# Altium PCB PT-MIS-PCB-001_v1.PcbDoc (part 2 of 2)
Units mm, origin at the board's own origin, x right, y up, seen from the top; angles counter-clockwise.
Board outline 95.12 x 89.53 mm, 4 copper layers (Top Layer, Ground Plane, Power Plane, Bottom Layer), stack 1.58 mm thick; 114 components, 60 nets, 390 pads, 166 vias.
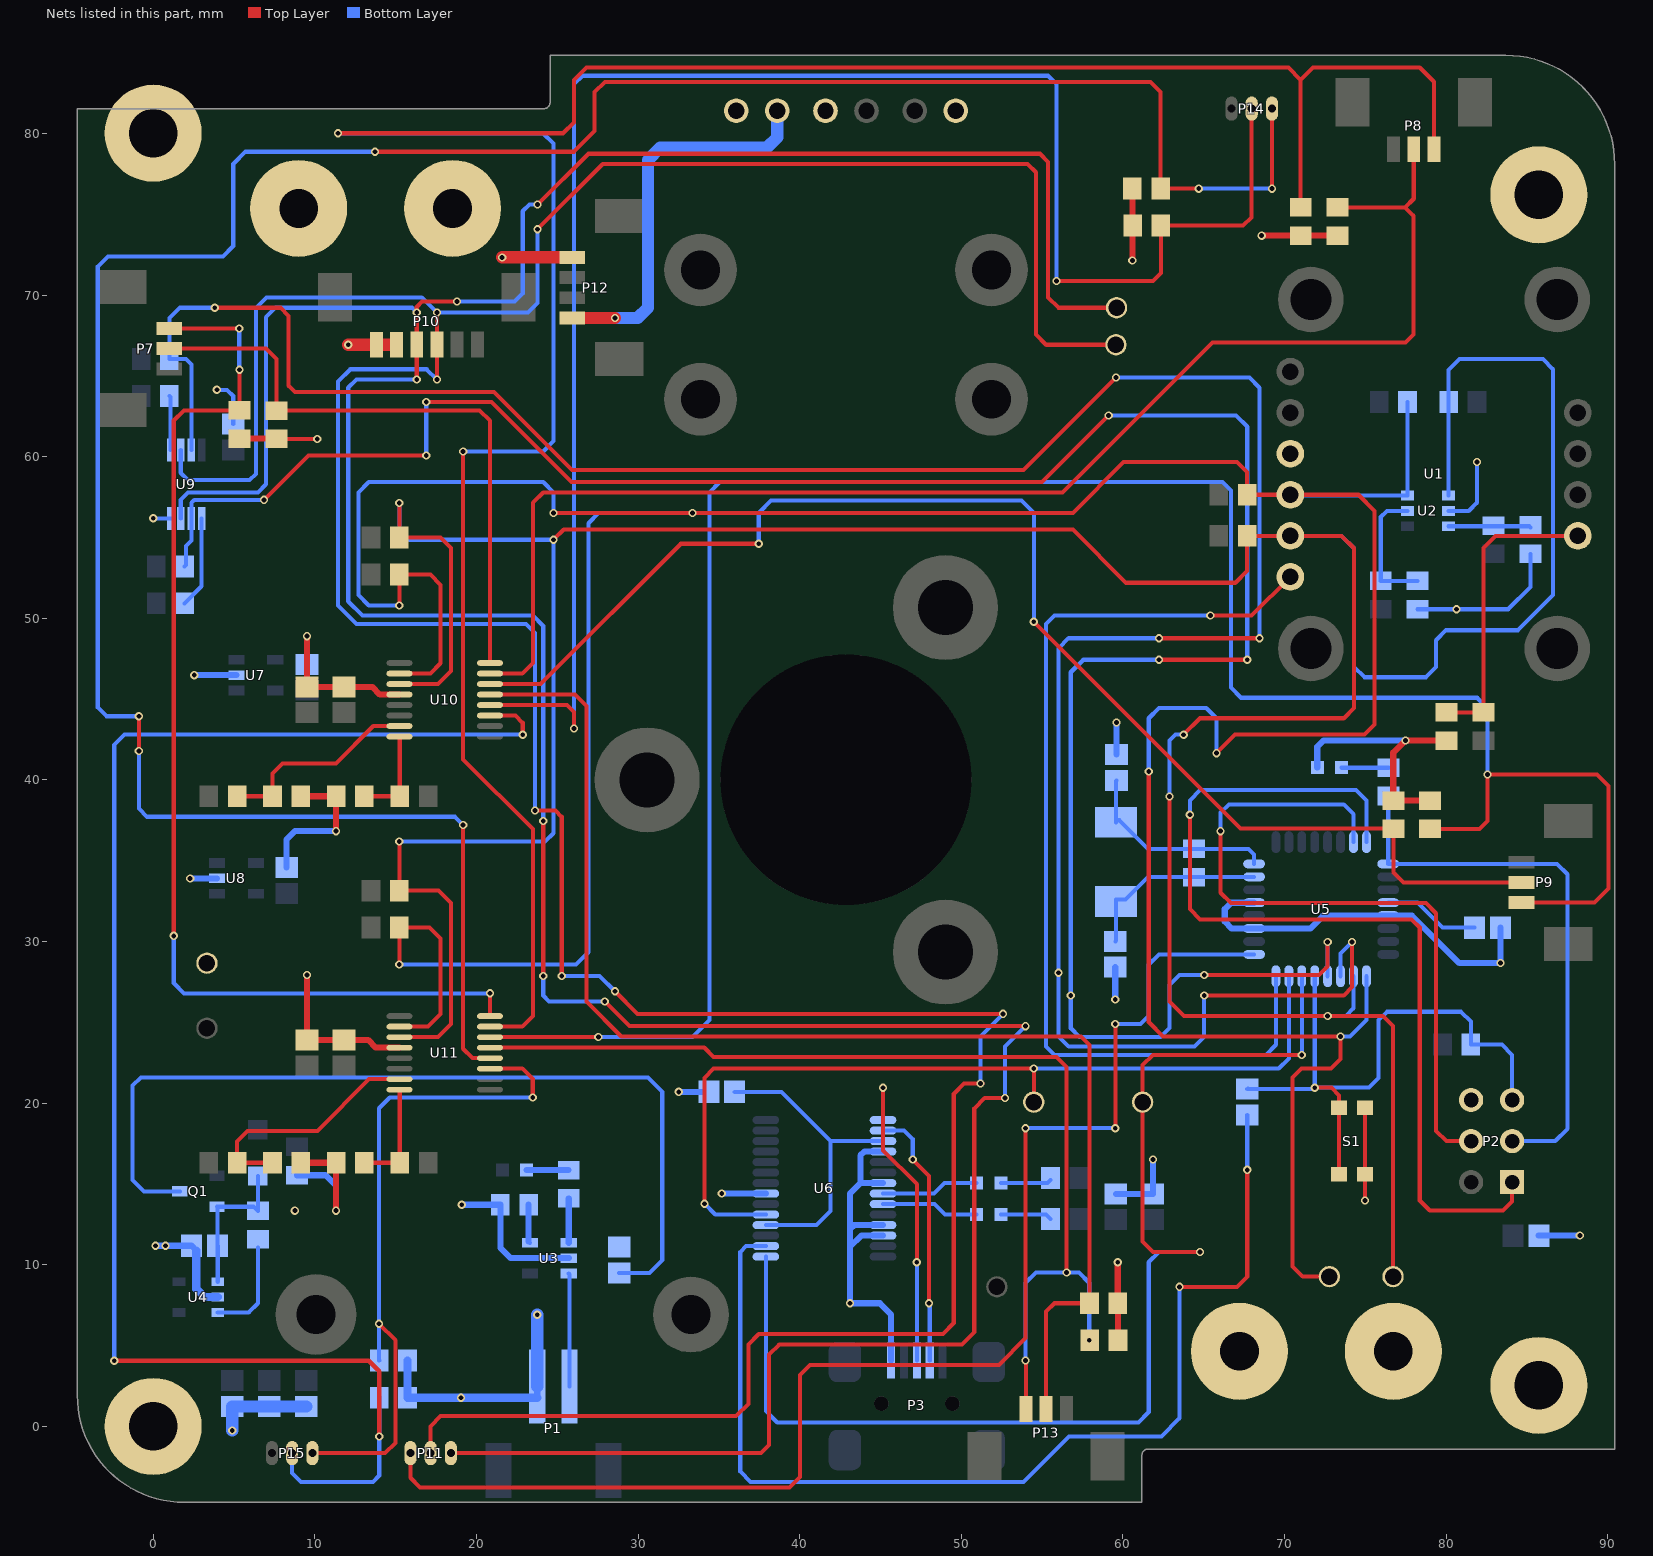
[diagram p4: the nets of this part, all layers, seen from the top]

## Via types
v1: diameter 0.508, hole 0.3, Top Layer to Bottom Layer, tented both sides, 166 vias

## Nets (pads, with @x,y where several pads share a name; then routed paths per layer and width w, separated by ;. In a path a pad name is that pad's centre, name@x,y a point inside that pad or via, vN(x,y) a via of type N, cw(c..) or ccw(c..) an arc to the next point about the centre after c; other vN are vias at no path point) (continued)
ADCS_SCL: R2.1 R4.2 R30.2 R32.2 TP4.1 U1.5 U2.1 U5.26 U10.3 U11.3 | length 255.6
  Top Layer w0.254: v1(15.226,36.181) R32.2@15.226,33.147 17.653,33.147 18.415,32.385 18.415,24.892 17.612,24.089 U11.3@15.234,24.089 ; v1(15.226,57.136) R30.2@15.226,54.991 17.78,54.991 18.415,54.356 18.415,46.736 17.612,45.933 U10.3@15.234,45.933 ; v1(24.762,54.861) 25.4,55.499 56.896,55.499 60.198,52.197 66.944,52.197 67.677,52.93 R4.2@67.677,55.103 U1.5@70.358,55.103 73.524,55.103 74.295,54.332 74.295,44.45 73.66,43.815 64.77,43.815 v1(63.754,42.799) ; v1(62.876,38.978) 62.876,26.289 63.765,25.4 v1(72.663,25.4) 76.073,25.4 76.708,24.765 TP4.1@76.708,9.271
  Bottom Layer w0.254: v1(15.226,36.181) 24.243,36.181 24.762,36.7 v1(24.762,54.861) 15.864,54.861 15.226,55.499 v1(15.226,57.136) ; v1(62.876,38.978) 62.876,42.429 63.246,42.799 v1(63.754,42.799) ; U1.5@70.358,55.103 73.524,55.103 74.295,54.332 74.295,46.99 74.93,46.355 78.74,46.355 79.375,46.99 79.375,48.641 79.995,49.261 84.44,49.261 86.614,51.435 86.614,65.405 85.979,66.04 80.828,66.04 80.151,65.363 R2.1@80.151,63.373 80.151,57.601 U2.1@80.142,57.592 ; v1(72.663,25.4) 73.787,25.4 74.263,25.876 U5.26@74.263,27.854
ADCS_SDA: R1.1 R5.2 R31.2 R33.2 TP3.1 U1.4 U2.6 U5.25 U10.2 U11.2 | length 245.9
  Top Layer w0.254: v1(15.226,28.575) R33.2@15.226,30.861 17.104,30.861 17.78,30.185 17.78,25.516 17.003,24.739 U11.2@15.234,24.739 ; v1(15.226,50.8) R31.2@15.226,52.705 17.145,52.705 17.78,52.07 17.78,47.218 17.145,46.583 U10.2@15.234,46.583 ; v1(24.765,56.515) 33.401,56.515 56.896,56.515 60.043,59.662 67.056,59.662 67.677,59.041 R5.2@67.677,57.643 U1.4@70.358,57.643 74.564,57.643 75.565,56.642 75.565,43.434 74.93,42.799 66.929,42.799 v1(65.786,41.656) ; v1(61.595,40.513) 61.595,25.019 62.484,24.13 v1(73.463,24.13) 73.463,22.733 72.869,22.139 71.034,22.139 70.485,21.59 70.485,9.906 71.12,9.271 TP3.1@72.771,9.271
  Bottom Layer w0.254: v1(15.226,28.575) 26.162,28.575 26.924,29.337 26.924,55.88 27.559,56.515 v1(33.36,56.515) ; v1(15.226,50.8) 13.335,50.8 12.7,51.435 12.7,57.785 13.335,58.42 24.13,58.42 24.765,57.785 v1(24.765,56.515) ; v1(61.595,40.513) 61.595,43.815 62.23,44.45 65.151,44.45 65.786,43.815 v1(65.786,41.656) ; U1.4@70.358,57.643 70.409,57.592 U2.6@77.592,57.592 77.6,57.6 R1.1@77.6,63.373 ; v1(73.463,24.13) 74.041,24.13 75.063,25.152 U5.25@75.063,27.854
ADM_RESET: P11.3 U5.1 | length 84.6
  Top Layer w0.254: P11.3@15.915,-1.651 15.915,-3.175 16.51,-3.77 39.37,-3.77 40.005,-3.135 40.005,3.175 40.64,3.81 52.324,3.81 53.975,5.461 v1(53.975,18.453) ; v1(59.525,18.453) v1(59.525,24.892)
  Bottom Layer w0.254: v1(53.975,18.453) v1(59.525,18.453) ; v1(59.525,24.892) 61.087,24.892 61.595,25.4 61.595,28.575 62.224,29.204 U5.1@68.113,29.204
DTR: C8.1 U6.2 | length 67
  Top Layer w0.254: v1(63.5,8.636) 67.056,8.636 67.691,9.271 v1(67.691,15.875)
  Bottom Layer w0.254: U6.2@37.904,11.157 36.684,11.157 36.322,10.795 36.322,-2.794 36.957,-3.429 53.848,-3.429 56.656,-0.621 62.371,-0.621 63.5,0.508 v1(63.5,8.636) ; v1(67.691,15.875) C8.1@67.691,19.266
GND: C1.2 C2.1 C3.1 C4.2 C5.1 C6.1 C7.1 C9.1 C10.1 C11.2 C12.2 C13.1 C14.1 C15.1 C16.1 C17.1 C18.2 C19.1 C20.2 D5.2 MH1.1 MH2.1 MH3.1 MH4.1 P1.1 P2.6 P3.5 P4.2 P5.2 P6.2 P10.5 P10.6 P12.4 pad.1@9,75.36 pad.1@18.525,75.36 pad.1@67.2,4.65 pad.1@76.725,4.65 R10.2 R11.1 R12.1 R13.2 R14.1 R24.1 R25.1 R26.1 R27.1 R28.1 R29.1 R38.1 R39.1 R40.1 R41.1 R42.1 R43.1 R44.1 R45.1 R46.1 R47.1 S1.2 TP9.1 U1.3 U2.2 U3.2 U4.2 U5.3 U5.5 U5.21 U6.7 U6.18 U6.21 U6.25 U6.26 U7.2 U8.2 U9.4 U10.4 U11.4 | length 208.8
  Top Layer w0.254: MH4.1@0,0 MH4.1@0.254,-0.254 ; R24.1@7.62,61.101 v1(10.146,61.101) ; v1(74.968,13.97) S1.2@74.968,15.603 S1.2@74.968,19.703
  Top Layer w0.381: R25.1@5.306,61.087 R25.1@5.334,61.115 R24.1@7.62,61.115 ; R40.1@9.13,16.316 R41.1@11.317,16.316 v1(11.317,13.349) ; R38.1@9.13,38.989 R39.1@11.317,38.989 v1(11.317,36.83) ; v1(9.514,27.929) C19.1@9.514,23.914 C20.2@11.8,23.914 13.297,23.914 13.772,23.439 U11.4@15.234,23.439 ; v1(9.514,48.895) C18.2@9.514,45.758 C17.1@11.8,45.758 13.551,45.758 14.026,45.283 U10.4@15.234,45.283 ; v1(59.676,10.16) R42.1@59.676,7.62 59.69,7.606 R43.1@59.69,5.334 ; v1(60.579,72.136) R45.1@60.579,76.581 ; v1(68.58,73.674) R27.1@70.993,73.674 R26.1@73.269,73.674 ; R29.1@78.994,38.721 R28.1@76.738,38.721 76.725,38.735 76.725,41.687 v1(77.47,42.432) R10.2@80.01,42.432
  Top Layer w0.762: v1(12.065,66.925) P10.6@13.806,66.925 P10.5@15.056,66.925 ; v1(21.59,72.33) P12.4@25.929,72.33
  Bottom Layer w0.254: v1(0,56.185) U9.4@1.067,56.185 ; v1(3.937,64.135) 4.572,64.135 4.953,63.754 C16.1@4.953,62.014 ; R11.1@78.213,50.56 v1(80.631,50.56) 83.834,50.56 85.217,51.943 R14.1@85.217,53.989 ; U2.2@80.142,56.642 81.393,56.642 81.901,57.15 v1(81.901,59.676)
  Bottom Layer w0.381: v1(0.146,11.176) v1(0.762,11.176) C4.2@2.375,11.176 C4.2@2.667,10.884 ; v1(2.286,33.909) U8.2@3.95,33.909 ; v1(2.54,46.482) U7.2@5.15,46.482 ; C12.2@8.255,34.582 8.255,36.322 8.763,36.83 v1(11.317,36.83) ; R12.1@8.89,15.542 10.668,15.542 11.317,14.893 v1(11.317,13.349) ; C11.2@9.514,47.155 v1(9.514,48.895) ; v1(19.091,13.716) R13.2@21.477,13.716 21.477,11.049 22.112,10.414 U3.2@25.711,10.414 ; P1.1@23.762,1.778 P1.1@23.762,2.473 ; v1(32.512,20.701) C14.1@33.998,20.701 ; v1(35.179,14.407) U6.7@37.904,14.407 ; U6.26@45.154,11.807 43.811,11.807 43.109,11.105 ; U6.25@45.154,12.457 43.374,12.457 43.109,12.192 ; U6.21@45.154,15.057 43.759,15.057 ; U6.18@45.154,17.007 44.002,17.007 43.759,16.764 43.759,15.057 ; P3.5@45.644,4.08 45.644,6.934 44.958,7.62 v1(43.109,7.62) 43.109,11.105 ; v1(59.525,26.416) C13.1@59.525,28.41 ; C9.1@59.563,14.389 C10.1@61.849,14.389 v1(61.849,16.51) ; C15.1@59.601,41.567 v1(59.601,43.561) ; U5.5@68.113,32.404 66.694,32.404 66.294,32.004 66.294,31.242 66.732,30.804 U5.3@68.113,30.804 71.59,30.804 72.39,31.604 U5.21@76.413,31.604 77.87,31.604 80.81,28.664 v1(83.35,28.664) C7.1@83.35,30.861 ; D5.2@72.021,40.767 72.021,42.049 72.404,42.432 v1(77.47,42.432) ; C6.1@85.725,11.807 v1(88.265,11.807) ; 43.109,11.105 43.109,12.192 ; 43.109,12.192 43.109,14.407 43.759,15.057
  Bottom Layer w0.508: C4.2@2.667,10.884 2.667,8.509 3.175,8.001 U4.2@3.994,8.001 ; R47.1@15.734,4.08 R46.1@15.734,1.778 v1(19.05,1.778) P1.1@23.762,1.778
  Bottom Layer w0.762: v1(4.892,-0.254) C3.1@4.892,1.232 C2.1@7.178,1.232 C1.2@9.464,1.232 ; P1.1@23.762,2.473 v1(23.762,6.909)
  other v1: 8.763,13.349
IN0_ADC1: P7.2 R24.2 U10.16 | length 38.5
  Top Layer w0.254: P7.2@0.995,66.685 6.975,66.685 7.62,66.04 7.62,62.865 20.193,62.865 20.834,62.224 U10.16@20.834,47.233
IN0_ADC2: P7.1 R25.2 U11.16 | length 69.8
  Top Layer w0.254: P7.1@0.995,67.935 v1(5.324,67.935) ; v1(1.27,30.353) 1.27,62.23 1.905,62.865 R25.2@5.334,62.865 v1(5.334,65.377) ; v1(20.828,26.797) 20.828,25.395 U11.16@20.834,25.389
  Bottom Layer w0.254: v1(1.27,30.353) 1.27,27.432 1.905,26.797 v1(20.828,26.797) ; v1(5.324,67.935) 5.324,65.387 v1(5.334,65.377)
IN1_ADC1: P8.2 R26.2 U10.15 | length 87.7
  Top Layer w0.254: U10.15@20.834,46.583 22.834,46.583 23.495,47.244 23.495,57.15 24.13,57.785 56.261,57.785 65.532,67.056 77.47,67.056 77.978,67.564 77.978,74.902 77.456,75.424 ; R26.2@73.269,75.424 R26.2@73.279,75.424 77.456,75.424 ; P8.2@77.988,79.015 77.988,75.956 77.456,75.424
IN1_ADC2: P8.1 R27.2 U11.15 | length 161.6
  Top Layer w0.254: v1(11.43,80.01) 25.364,80.01 26.035,80.681 26.035,83.312 26.797,84.074 70.231,84.074 70.993,83.312 ; v1(19.177,60.325) 19.177,41.275 23.495,36.957 23.495,25.4 22.834,24.739 U11.15@20.834,24.739 ; R27.2@70.993,75.424 70.993,83.312 ; P8.1@79.238,79.015 79.238,83.195 78.359,84.074 71.755,84.074 70.993,83.312
  Top Layer w0.381: P8.1@79.238,79.015 P8.1@79.248,79.005
  Bottom Layer w0.254: v1(11.43,80.01) 24.127,80.01 24.762,79.375 24.762,60.957 24.13,60.325 v1(19.177,60.325)
IN2_ADC1: P9.2 R28.2 U10.14 | length 85
  Top Layer w0.254: U10.14@20.834,45.933 23.962,45.933 32.639,54.61 v1(37.465,54.61) ; v1(54.483,49.784) 67.282,36.985 76.724,36.985 76.724,36.971 76.725,36.97 76.725,34.273 77.343,33.655 P9.2@84.656,33.655
  Bottom Layer w0.254: v1(37.465,54.61) 37.465,56.515 38.227,57.277 53.721,57.277 54.483,56.515 v1(54.483,49.784)
IN2_ADC2: P9.1 R29.2 U11.14 | length 138.7
  Top Layer w0.254: U11.14@20.834,24.089 v1(27.54,24.089) ; R29.2@78.994,36.971 82.056,36.971 82.55,37.465 v1(82.55,40.333) 89.334,40.333 90.043,39.624 90.043,33.274 89.174,32.405 P9.1@84.656,32.405
  Bottom Layer w0.254: v1@27.432,24.13 v1@27.54,24.13 ; v1(27.54,24.089) 33.36,24.089 34.417,25.146 34.417,57.785 35.052,58.42 66.167,58.42 66.675,57.912 66.675,45.72 67.31,45.085 81.915,45.085 82.55,44.45 v1(82.55,40.333)
IN3_ADC1: P13.2 R42.2 U10.13 | length 81.7
  Top Layer w0.254: U10.13@20.834,45.283 26.091,45.283 26.797,44.577 26.797,26.289 28.956,24.13 57.404,24.13 57.926,23.608 R42.2@57.926,7.62 55.753,7.62 55.245,7.112 P13.2@55.245,1.069
IN3_ADC2: P13.1 R43.2 U11.13 | length 64.8
  Top Layer w0.254: U11.13@20.834,23.439 34.092,23.439 34.671,22.86 55.88,22.86 56.515,22.225 v1(56.515,9.525) ; P13.1@53.995,1.069 v1@53.995,4.171
  Bottom Layer w0.254: v1(53.975,4.08) 53.975,8.89 54.61,9.525 v1(56.515,9.525) 57.277,9.525 57.912,8.89 v1(57.912,5.334)
IN4_ADC1: P14.2 R44.2 U10.12 | length 110.9
  Top Layer w0.254: U10.12@20.834,44.633 25.598,44.633 26.035,44.196 v1(26.035,43.18) ; v1(55.88,70.866) 55.88,70.767 55.979,70.866 61.849,70.866 62.343,71.36 R44.2@62.343,74.295 67.437,74.295 67.941,74.799 P14.2@67.941,81.439
  Bottom Layer w0.254: v1(26.035,43.18) 26.035,83.058 26.543,83.566 55.372,83.566 55.88,83.058 v1(55.88,70.866)
IN4_ADC2: P14.1 R45.2 U11.12 | length 165.1
  Top Layer w0.254: v1(-0.889,41.783) v1(-0.889,43.942) ; v1(13.716,78.867) 26.035,78.867 27.305,80.137 27.305,82.55 27.94,83.185 61.694,83.185 62.329,82.55 R45.2@62.329,76.581 ; v1(19.177,37.211) 19.177,23.368 19.756,22.789 U11.12@20.834,22.789 ; R45.2@62.436,76.688 R45.2@62.329,76.581 ; v1(64.683,76.581) R45.2@62.329,76.581 ; v1(69.215,76.581) P14.1@69.215,81.534
  Bottom Layer w0.254: v1(-0.889,41.783) -0.889,38.227 -0.381,37.719 18.669,37.719 v1(19.177,37.211) ; v1(-0.889,43.942) -2.883,43.942 -3.429,44.488 -3.429,71.755 -2.794,72.39 4.318,72.39 4.953,73.025 4.953,78.105 5.715,78.867 v1(13.716,78.867) ; v1(64.683,76.581) v1(69.215,76.581)
IN5_ADC1: P15.2 R46.2 U10.11 | length 99.1
  Top Layer w0.254: v1(-2.413,4.064) -2.159,4.064 13.335,4.064 13.984,3.415 v1(13.984,-0.621) ; U10.11@20.834,43.983 22.412,43.983 22.86,43.535 v1(22.86,42.799)
  Bottom Layer w0.254: v1(-2.413,4.064) -2.413,42.164 -1.778,42.799 v1(22.86,42.799) ; P15.2@8.596,-1.651 8.596,-2.881 9.144,-3.429 13.589,-3.429 13.984,-3.034 v1(13.984,-0.621) R46.2@13.984,1.778
IN5_ADC2: P15.1 R47.2 U11.11 | length 42.6
  Top Layer w0.254: P15.1@9.846,-1.651 14.351,-1.651 14.986,-1.016 14.986,5.334 v1(13.97,6.35) ; U11.11@20.834,22.139 22.834,22.139 23.484,21.489 v1(23.484,20.35)
  Bottom Layer w0.254: R47.2@13.984,4.08 13.97,4.094 v1(13.97,6.35) 13.97,19.685 14.635,20.35 v1(23.484,20.35)
MISO: P2.1 U5.16 | length 59.8
  Top Layer w0.254: v1(64.135,37.846) 64.135,32.004 64.77,31.369 77.851,31.369 78.359,30.861 78.359,13.97 78.98,13.349 83.517,13.349 84.074,13.906 P2.1@84.074,15.117
  Bottom Layer w0.254: v1(64.135,37.846) 64.135,38.735 64.77,39.37 74.422,39.37 75.063,38.729 U5.16@75.063,36.154
MOSI: P2.4 U5.15 | length 45.1
  Top Layer w0.254: v1(66.04,36.83) 66.04,33.02 66.675,32.385 78.74,32.385 79.375,31.75 79.375,18.288 80.006,17.657 P2.4@81.534,17.657
  Bottom Layer w0.254: v1(66.04,36.83) 66.04,37.973 66.548,38.481 73.66,38.481 74.263,37.878 U5.15@74.263,36.154
NetC4_1: C4.1 D2.2 Q1.3 R9.1 U4.1 | length 9.5
  Bottom Layer w0.254: U4.1@3.994,8.951 3.994,11.157 C4.1@3.975,11.176 3.975,13.57 Q1.3@3.95,13.595 6.214,13.595 R9.1@6.477,13.332 D2.2@6.477,15.495
NetC7_2: C7.2 U5.20 | length 6
  Bottom Layer w0.254: U5.20@76.413,32.404 78.213,32.404 79.756,30.861 C7.2@81.75,30.861
NetC13_2: C13.2 R19.2 U5.7 Y1.1 | length 11.6
  Bottom Layer w0.254: C13.2@59.525,30.01 59.563,30.048 Y1.1@59.563,32.475 ; Y1.1@59.563,32.602 60.161,32.602 61.543,33.984 R19.2@64.389,33.984 64.409,34.004 U5.7@68.113,34.004
NetC14_2: C14.2 U6.4 U6.17 | length 19.1
  Bottom Layer w0.254: C14.2@35.979,20.701 38.862,20.701 41.906,17.657 ; U6.4@37.904,12.457 41.032,12.457 41.906,13.331 41.906,17.657 ; U6.17@45.154,17.657 41.906,17.657
NetC15_2: C15.2 R19.1 U5.8 Y1.2 | length 12.6
  Bottom Layer w0.254: Y1.2@59.563,37.375 Y1.2@59.563,37.502 ; C15.2@59.601,39.967 59.563,39.929 Y1.2@59.563,37.502 ; U5.8@68.113,34.804 68.113,35.392 67.771,35.734 R19.1@64.389,35.734 61.548,35.734 59.78,37.502 Y1.2@59.563,37.502
NetD1_2: D1.2 R3.2 | length 2.6
  Bottom Layer w0.254: R3.2@25.697,15.875 R3.2@25.711,15.861
  Bottom Layer w0.381: D1.2@23.102,15.875 R3.2@25.697,15.875
NetD3_1: D3.1 R16.1 | length 3.2
  Bottom Layer w0.254: D3.1@52.444,13.106 55.234,13.106 R16.1@55.513,12.827
NetD3_2: D3.2 U6.23 | length 6.1
  Bottom Layer w0.254: U6.23@45.154,13.757 48.346,13.757 48.997,13.106 D3.2@50.944,13.106
NetD4_1: D4.1 R17.1 | length 3.1
  Bottom Layer w0.254: D4.1@52.444,15.056 55.329,15.056 R17.1@55.513,15.24
NetD4_2: D4.2 U6.22 | length 6.1
  Bottom Layer w0.254: U6.22@45.154,14.407 48.316,14.407 48.965,15.056 D4.2@50.944,15.056
NetD5_1: D5.1 R18.2 | length 2.9
  Bottom Layer w0.254: D5.1@73.521,40.767 73.535,40.753 R18.2@76.418,40.753
NetP3_2: P3.2 U6.16 | length 16.2
  Top Layer w0.254: v1(46.99,16.51) 48.006,15.494 v1(48.006,7.62)
  Bottom Layer w0.254: U6.16@45.154,18.307 46.463,18.307 46.99,17.78 v1(46.99,16.51) ; v1(48.006,7.62) 48.044,7.582 P3.2@48.044,4.08
NetP3_3: P3.3 U6.15 | length 19.7
  Top Layer w0.254: v1(45.154,20.955) 45.154,17.076 47.244,14.986 v1(47.244,10.16)
  Bottom Layer w0.254: U6.15@45.154,18.957 v1(45.154,20.955) ; P3.3@47.244,4.08 v1(47.244,10.16)
NetR3_1: R3.1 U3.1 | length 2.7
  Bottom Layer w0.381: U3.1@25.711,11.364 R3.1@25.711,14.111
NetR6_2: R6.2 R10.1 U1.10 | length 18.6
  Top Layer w0.254: R10.1@80.01,44.182 R6.2@82.296,44.182 82.296,54.341 83.058,55.103 U1.10@88.138,55.103
NetR7_1: R7.1 R11.2 U2.5 | length 8
  Bottom Layer w0.254: U2.5@77.592,56.642 76.327,56.642 75.946,56.261 R7.1@75.946,52.31 R11.2@78.213,52.31
NetR8_1: R8.1 R14.2 U2.3 | length 5.1
  Bottom Layer w0.254: U2.3@80.142,55.692 85.137,55.692 R14.2@85.217,55.612
NetR9_2: R9.2 U4.3 | length 6.2
  Bottom Layer w0.254: U4.3@3.994,7.051 5.908,7.051 6.477,7.62 R9.2@6.477,11.063
NetR13_1: R13.1 U3.5 | length 2.4
  Bottom Layer w0.254: U3.5@23.227,11.448 U3.5@23.311,11.364
  Bottom Layer w0.381: U3.5@23.227,11.448 R13.1@23.227,13.716
NetR20_1: R20.1 U9.5 | length 3.4
  Bottom Layer w0.254: R20.1@1.002,63.754 1.067,63.689 U9.5@1.067,60.401
NetR23_1: R23.1 U9.1 | length 5.7
  Bottom Layer w0.254: R23.1@1.942,50.927 2.997,51.982 U9.1@2.997,56.185
NetR34_1: R34.1 R38.2 U10.7 | length 12.7
  Top Layer w0.254: R34.1@5.193,38.989 R38.2@7.38,38.989 7.38,40.4 8.001,41.021 11.303,41.021 13.615,43.333 U10.7@15.234,43.333
NetR35_1: R35.1 R39.2 U10.8 | length 5.9
  Top Layer w0.254: R39.2@13.067,38.989 R35.1@15.254,38.989 15.254,42.663 U10.8@15.234,42.683
NetR36_1: R36.1 R40.2 U11.7 | length 15.1
  Top Layer w0.254: R40.2@7.38,16.316 R36.1@5.193,16.316 5.193,17.639 5.842,18.288 10.16,18.288 13.361,21.489 U11.7@15.234,21.489
NetR37_1: R37.1 R41.2 U11.8 | length 6.7
  Top Layer w0.254: R41.2@13.067,16.316 R37.1@15.254,16.316 15.254,20.819 U11.8@15.234,20.839
OBC_SCL: P10.4 P11.1 TP8.1 U9.3 | length 234
  Top Layer w0.254: v1(16.306,64.77) P10.4@16.306,66.95 v1(16.306,68.911) 16.306,69.265 16.637,69.596 v1(18.796,69.596) ; P11.1@18.415,-1.651 37.592,-1.651 38.1,-1.143 38.1,4.445 38.735,5.08 50.038,5.08 50.8,5.842 50.8,19.675 51.445,20.32 v1(52.705,20.32) ; v1(23.781,75.597) 26.924,78.74 54.864,78.74 55.372,78.232 55.372,69.85 56.007,69.215 TP8.1@59.601,69.215 ; v1(24.13,27.877) v1(24.13,37.465) ; v1(27.94,26.289) 29.464,24.765 v1(53.975,24.765)
  Bottom Layer w0.254: U9.3@1.702,56.185 1.702,57.328 2.159,57.785 6.477,57.785 6.985,58.293 6.985,68.627 7.573,69.215 16.002,69.215 v1(16.306,68.911) ; v1(16.306,64.77) 12.573,64.77 12.065,64.262 12.065,51.054 12.954,50.165 23.495,50.165 24.13,49.53 v1(24.13,37.465) ; v1(18.796,69.596) 22.352,69.596 22.86,70.104 22.86,75.184 23.273,75.597 v1(23.781,75.597) ; v1(24.13,27.877) 24.13,26.656 24.497,26.289 v1(27.94,26.289) ; v1(52.705,20.32) 52.705,23.495 v1(53.975,24.765)
OBC_SCL_ISO: R22.1 U5.28 U9.2 | length 148.8
  Top Layer w0.254: v1(6.858,57.328) 9.601,60.071 v1(16.891,60.071) ; v1(16.891,63.373) 20.919,63.373 25.872,58.42 54.991,58.42 v1(59.114,62.543) ; v1(62.23,47.432) v1(67.691,47.432) ; v1(65.024,27.929) 72.125,27.929 72.663,28.467 v1(72.663,29.972)
  Bottom Layer w0.254: R22.1@1.942,53.213 2.032,53.303 2.032,54.483 2.362,54.813 U9.2@2.362,56.185 2.362,57.15 2.54,57.328 v1(6.858,57.328) ; v1(16.891,60.071) v1(16.891,63.373) ; v1(59.114,62.543) 66.997,62.543 67.691,61.849 v1(67.691,47.432) ; v1(62.23,47.432) 57.54,47.432 56.769,46.661 v1(56.769,26.67) 56.769,24.638 57.318,24.089 62.316,24.089 62.876,24.649 62.876,27.305 63.5,27.929 v1(65.024,27.929) ; U5.28@72.663,27.854 v1(72.663,29.972)
OBC_SDA: P10.3 P11.2 TP7.1 U9.6 | length 236
  Top Layer w0.254: P11.2@17.145,-1.651 17.145,0 17.78,0.635 36.068,0.635 36.83,1.397 36.83,5.08 37.465,5.715 48.853,5.715 49.53,6.392 49.53,20.574 50.165,21.209 v1(51.181,21.209) v1@51.308,21.209 ; v1(17.556,64.77) P10.3@17.556,66.95 v1@17.556,68.881 ; v1(23.622,38.1) 24.892,38.1 25.273,37.719 v1(25.273,27.877) ; v1(23.781,74.073) 27.813,78.105 54.102,78.105 54.61,77.597 54.61,67.564 55.249,66.925 TP7.1@59.563,66.925 ; v1(28.575,26.924) 29.972,25.527 v1(52.578,25.527)
  Bottom Layer w0.254: U9.6@1.702,60.401 1.702,59.004 2.159,58.547 5.969,58.547 6.35,58.928 6.35,69.195 7.005,69.85 16.617,69.85 v1(17.556,68.911) 23.191,68.911 23.781,69.501 v1(23.781,74.073) ; v1(17.556,64.77) 16.921,65.405 12.192,65.405 11.43,64.643 11.43,50.8 12.573,49.657 23.057,49.657 23.622,49.092 v1(23.622,38.1) ; v1(25.273,27.877) 27.622,27.877 v1(28.575,26.924) ; v1(51.181,21.209) 51.181,24.13 v1(52.578,25.527)
OBC_SDA_ISO: R21.1 U5.27 U9.7 | length 165.3
  Top Layer w0.254: v1(3.81,69.215) 7.874,69.215 8.382,68.707 8.382,64.389 8.763,64.008 21.082,64.008 25.908,59.182 53.848,59.182 v1(59.563,64.897) ; v1(62.23,48.768) v1(68.453,48.768) ; v1(65.024,26.67) 73.66,26.67 74.168,27.178 v1(74.168,29.972)
  Bottom Layer w0.254: U9.7@2.362,60.401 2.362,65.71 2.032,66.04 R21.1@1.002,66.04 1.002,68.571 1.646,69.215 v1(3.81,69.215) ; v1(59.563,64.897) 67.818,64.897 68.453,64.262 v1(68.453,48.768) ; v1(62.23,48.768) 56.642,48.768 56.007,48.133 v1(56.007,28.067) 56.007,24.13 56.642,23.495 64.429,23.495 65.024,24.09 v1(65.024,26.67) ; U5.27@73.463,27.854 73.463,29.267 v1(74.168,29.972) v1@74.234,30.038
RESET: C8.2 P2.5 R15.1 S1.1 U5.29 | length 38.8
  Top Layer w0.254: v1(71.863,20.958) 72.895,20.958 73.368,20.485 S1.1@73.368,19.703 S1.1@73.368,15.603
  Bottom Layer w0.254: C8.2@67.728,20.903 C8.2@67.691,20.866 71.881,20.866 71.918,20.903 v1(71.863,20.958) ; U5.29@71.863,27.854 v1(71.863,20.958) ; P2.5@84.074,20.197 84.074,22.987 83.439,23.622 R15.1@81.52,23.622 81.52,25.053 80.919,25.654 76.327,25.654 75.819,25.146 75.819,21.559 75.218,20.958 v1(71.863,20.958)
RST: U1.6 U5.32 | length 61.4
  Top Layer w0.254: v1(65.405,50.165) 67.96,50.165 U1.6@70.358,52.563
  Bottom Layer w0.254: v1(65.405,50.165) 55.767,50.165 55.245,49.643 55.245,23.509 55.767,22.987 68.834,22.987 69.463,23.616 U5.32@69.463,27.854
RX: TP6.1 U5.31 U6.5 | length 55.7
  Top Layer w0.254: v1(34.099,13.779) 34.099,21.568 34.671,22.139 v1(54.483,22.139) TP6.1@54.483,20.066
  Bottom Layer w0.254: v1(34.099,13.779) 34.772,13.107 U6.5@37.904,13.107 ; v1(54.483,22.139) 69.637,22.139 70.263,22.765 U5.31@70.263,27.854
SCK: P2.3 R18.1 U5.17 | length 35
  Bottom Layer w0.254: R18.1@76.418,39.003 76.413,38.998 U5.17@76.413,34.804 86.862,34.804 87.503,34.163 87.503,18.415 86.745,17.657 P2.3@84.074,17.657
TX: TP5.1 U5.30 U6.1 | length 76.2
  Top Layer w0.254: v1(64.77,10.795) 61.849,10.795 61.214,11.43 TP5.1@61.214,20.066 61.214,22.352 61.849,22.987 v1(71.063,22.987)
  Bottom Layer w0.254: U6.1@37.904,10.507 37.904,0.958 38.608,0.254 60.96,0.254 61.595,0.889 61.595,10.16 62.23,10.795 v1(64.77,10.795) ; v1(71.063,22.987) U5.30@71.063,27.854
V_BAT: P4.1 P12.1 | length 24.3
  Top Layer w0.762: P12.1@25.929,68.58 v1(28.575,68.58)
  Bottom Layer w0.762: v1(28.575,68.58) 29.972,68.58 30.607,69.215 30.607,78.359 31.369,79.121 37.973,79.121 38.606,79.754 P4.1@38.606,81.405
VBAT: C5.2 P1.2 Q1.2 U3.3 | length 62.8
  Bottom Layer w0.254: Q1.2@1.65,14.545 -0.575,14.545 -1.27,15.24 -1.27,21.082 -0.762,21.59 30.607,21.59 31.496,20.701 31.496,10.287 30.696,9.487 C5.2@28.829,9.487 ; U3.3@25.711,9.464 25.762,9.413 P1.2@25.762,2.473
pads on no net: P1. P3.4 P3.M P3.S P7.0 P8.0 P9.0 P10.0 P12.0 P13.0 U1.0 U1.2 U1.7 U1.8 U1.9 U4.4 U5.2 U5.9 U5.10 U5.11 U5.12 U5.13 U5.14 U5.19 U5.22 U5.23 U5.24 U6.3 U6.6 U6.8 U6.9 U6.10 U6.11 U6.12 U6.13 U6.14 U6.19 U6.24 U6.27 U6.28 U7.1 U8.1 U10.6 U10.9 U10.10 U11.6 U11.9 U11.10
copper on no net:
  other v1: 22.225,33.204

## Polygon pours and split planes (outlines as drawn)
GND on Bottom Layer "Bottom Layer-GND 4" (solid, pour order 0): 27.305,10.668 22.112,10.668 22.112,14.464 22.098,14.478 20.828,14.478 20.828,10.16 27.305,10.16
GND on Bottom Layer "Bottom Layer-GND 3" (solid, pour order 2): 20.828,14.478 18.542,14.478 18.542,12.827 20.828,12.827
5V on Bottom Layer "Bottom Layer-5V 2" (solid, pour order 4): 23.762,9.779 19.685,9.779 19.685,12.192 14.732,12.192 14.732,9.144 23.762,9.144
VBAT on Bottom Layer "Bottom Layer-VBAT 5" (solid, pour order 6): 25.146,9.779 29.718,9.779 29.718,4.318 25.146,4.318
GND on Bottom Layer "Bottom Layer-GND 2" (solid, pour order 8): 29.718,10.414 26.924,10.414 26.924,11.807 29.718,11.807
3V3 on Bottom Layer "Bottom Layer-3V3" (solid, pour order 10): 2.032,9.652 -1.778,9.652 -1.778,8.255 2.032,8.255
GND on Bottom Layer "Bottom Layer-GND 1" (solid, pour order 12): 8.128,16.256 11.811,16.256 11.811,12.319 8.128,12.319
5V on Bottom Layer "Bottom Layer-5V 1" (solid, pour order 14): 9.652,16.764 9.652,19.05 0.762,19.05 0.762,16.764
5V on Bottom Layer "Bottom Layer-5V" (solid, pour order 16): 3.429,15.117 3.429,16.764 4.445,16.764 4.445,16.697 4.445,15.117
no net on Bottom Layer "Bottom Layer-No Net" (solid, pour order 18): 7.112,16.129
NetC4_1 on Bottom Layer "Bottom Layer-NetC16_1 2" (solid, pour order 20): 7.239,12.7 7.239,16.256 5.715,16.256 5.715,12.7
NetC4_1 on Bottom Layer "Bottom Layer-NetC16_1 1" (solid, pour order 26): 5.715,12.7 3.429,12.7 3.429,13.97 5.715,13.97
NetC4_1 on Bottom Layer "Bottom Layer-NetC16_1" (solid, pour order 28): 4.699,13.97 3.302,13.97 3.302,8.636 4.699,8.636
NetR9_2 on Bottom Layer "Bottom Layer-NetR37_2" (solid, pour order 30): 7.239,12.192 5.715,12.192 5.715,7.366 3.302,7.366 3.302,6.731 7.239,6.731
VBAT on Bottom Layer "Bottom Layer-VBAT 4" (solid, pour order 32): 2.159,14.986 -1.524,14.986 -1.524,14.111 2.159,14.111
VBAT on Bottom Layer "Bottom Layer-VBAT 3" (solid, pour order 34): -1.524,14.986 -1.524,21.844 -0.762,21.844 -0.762,14.986
VBAT on Bottom Layer "Bottom Layer-VBAT 2" (solid, pour order 36): -0.762,21.844 -0.762,21.082 31.877,21.082 31.877,21.844
VBAT on Bottom Layer "Bottom Layer-VBAT 1" (solid, pour order 38): 31.877,21.082 30.861,21.082 30.861,9.271 31.877,9.271
VBAT on Bottom Layer "Bottom Layer-VBAT" (solid, pour order 40): 30.861,9.271 29.464,9.271 29.464,10.092 30.861,10.092
GND on Bottom Layer "Bottom Layer-GND" (solid, pour order 42): 3.048,11.941 -0.254,11.934 -0.254,10.414 3.048,10.414
GND on Ground Plane (split plane): 83.994,84.323 84.602,84.263 85.202,84.143 85.788,83.965 86.353,83.731 86.892,83.442 87.401,83.102 87.874,82.714 88.306,82.281 88.694,81.808 89.034,81.299 89.322,80.76 89.556,80.194 89.734,79.609 89.853,79.009 89.913,78.4 89.913,78.094 89.913,-0.886 61.555,-0.886 61.53,-0.889 61.505,-0.889 61.431,-0.896 61.406,-0.901 61.381,-0.903 61.357,-0.911 61.332,-0.915 61.309,-0.925 61.285,-0.932 61.148,-0.989 61.136,-0.995 61.06,-1.036 61.043,-1.05 60.982,-1.1 60.877,-1.205 60.827,-1.266 60.813,-1.283 60.772,-1.359 60.766,-1.371 60.709,-1.508 60.702,-1.532 60.692,-1.555 60.688,-1.58 60.68,-1.604 60.678,-1.629 60.673,-1.654 60.666,-1.728 60.666,-1.753 60.663,-1.778 60.663,-4.186 1.92,-4.186 1.62,-4.186 1.023,-4.127 0.434,-4.01 -0.14,-3.836 -0.695,-3.607 -1.224,-3.324 -1.723,-2.991 -2.187,-2.61 -2.611,-2.186 -2.992,-1.722 -3.325,-1.223 -3.608,-0.694 -3.838,-0.14 -4.012,0.434 -4.129,1.023 -4.188,1.62 -4.188,1.92 -4.188,81.023 24.17,81.023 24.195,81.026 24.22,81.026 24.294,81.033 24.319,81.038 24.344,81.04 24.368,81.048 24.393,81.052 24.416,81.062 24.44,81.069 24.577,81.126 24.589,81.132 24.665,81.173 24.682,81.187 24.743,81.237 24.848,81.342 24.898,81.403 24.912,81.42 24.953,81.496 24.959,81.508 25.016,81.645 25.023,81.669 25.033,81.692 25.037,81.717 25.045,81.741 25.047,81.766 25.052,81.791 25.059,81.865 25.059,81.89 25.062,81.915 25.062,84.323 83.688,84.323
3V3 on Power Plane (split plane): 83.994,84.323 84.602,84.263 85.202,84.143 85.788,83.965 86.353,83.731 86.892,83.442 87.401,83.102 87.874,82.714 88.306,82.281 88.694,81.808 89.034,81.299 89.322,80.76 89.556,80.194 89.734,79.609 89.853,79.009 89.913,78.4 89.913,78.094 89.913,-0.886 61.555,-0.886 61.53,-0.889 61.505,-0.889 61.431,-0.896 61.406,-0.901 61.381,-0.903 61.357,-0.911 61.332,-0.915 61.309,-0.925 61.285,-0.932 61.148,-0.989 61.136,-0.995 61.06,-1.036 61.043,-1.05 60.982,-1.1 60.877,-1.205 60.827,-1.266 60.813,-1.283 60.772,-1.359 60.766,-1.371 60.709,-1.508 60.702,-1.532 60.692,-1.555 60.688,-1.58 60.68,-1.604 60.678,-1.629 60.673,-1.654 60.666,-1.728 60.666,-1.753 60.663,-1.778 60.663,-4.186 1.92,-4.186 1.62,-4.186 1.023,-4.127 0.434,-4.01 -0.14,-3.836 -0.695,-3.607 -1.224,-3.324 -1.723,-2.991 -2.187,-2.61 -2.611,-2.186 -2.992,-1.722 -3.325,-1.223 -3.608,-0.694 -3.838,-0.14 -4.012,0.434 -4.129,1.023 -4.188,1.62 -4.188,1.92 -4.188,81.023 24.17,81.023 24.195,81.026 24.22,81.026 24.294,81.033 24.319,81.038 24.344,81.04 24.368,81.048 24.393,81.052 24.416,81.062 24.44,81.069 24.577,81.126 24.589,81.132 24.665,81.173 24.682,81.187 24.743,81.237 24.848,81.342 24.898,81.403 24.912,81.42 24.953,81.496 24.959,81.508 25.016,81.645 25.023,81.669 25.033,81.692 25.037,81.717 25.045,81.741 25.047,81.766 25.052,81.791 25.059,81.865 25.059,81.89 25.062,81.915 25.062,84.323 83.688,84.323

## Silkscreen, mask and mechanical layers (free items; w line width, h text height)
Top Overlay:
  circle w0.55: c86.106,15.113 r0.259
  lines w0.254: 41.258,22.111 cw(c42.799,40.045) 41.297,22.108 ; 3.62,73.025 23.813,73.025 23.812,81.28 3.619,81.28 3.619,73.025 ; 31.623,58.913 54.102,58.913 54.102,76.2 31.623,76.2 31.623,58.913 ; 61.912,-1.27 61.912,6.985 82.105,6.985 82.105,-1.27 61.912,-1.27
  text "Z+" at 60.452,80.645 h2.3
  text "Y-" at 84.074,80.645 h2.3
  text "DS BASE" at 10.414,79.375 h1
  text "CS CAMERA" at 36.195,76.962 h1.52
  text "OBC_SCL" at 61.087,68.58 h1
  text "OBC_SDA" at 61.087,66.421 h1
  text "TO PAYLOAD" at 14.732,62.23 h1.27
  text "X+" at -3.81,58.039 h2.3
  text "HECHO EN GUATEMALA" at -3.429,53.34 h1.75 r270
  text "X-" at 85.598,39.624 h2.3
  text "ADCS / QUETZAL-1" at 60.579,26.924 h2.16
  text "GND" at 2.032,26.162 h1
  text "P/N: PT-MIS-PCB-001" at 56.134,24.003 h1.52
  text "3V3" at 2.032,21.971 h1
  text "TX" at 55.88,19.558 h1
  text "RX" at 62.611,19.558 h1
  text "RESET" at 70.739,11.43 h1.52
  text "ICSP" at 80.264,11.43 h1.52
  text "ADCS_SDA" at 63.627,8.763 h1
  text "ADCS_SCL" at 78.232,8.763 h1
  text "5V" at 49.149,8.001 h1
  text "MAGNET FLANGE" at 15.401,6.35 h1
  text "DS BASE" at 68.707,-0.106 h1
  text "Y+" at 45.593,-3.683 h2.3
  text "Z-" at 11.049,-3.826 h2.3
Bottom Overlay:
  drawing of 3323 lines, arcs and shapes, not listed
  text "TO ADM" at 59.309,80.645 h1.27
  text "VBAT" at 38.989,78.486 h1
  text "3V3" at 44.196,78.486 h1
  text "2V35" at 50.292,78.486 h1
  text "Laboratorio de Ingenieria Aeroespacial / Facultad de Ingenieria / Universidad del Valle de Guatemala" at 81.915,73.152 h0.75
  text "OBC_SCL" at 67.818,68.565 h1
  text "OBC_SDA" at 67.818,66.406 h1
  text "u" at 26.543,54.61 h25
  text "GND" at 7.355,28.067 h1
  text "QUETZAL-1 / PT-MIS-PCB-001 / VERSION: v1.2 / SERIAL NO:" at 35.295,27.94 h1
  text "3V3" at 7.493,24.13 h1
  text "TX" at 57.531,19.558 h1
  text "RX" at 64.262,19.558 h1
  text "RX" at 53.213,16.129 h1
  text "TX" at 53.218,10.922 h1
  text "ADCS_SDA" at 71.374,8.763 h1
  text "ADCS_SCL" at 85.852,8.763 h1
  text "5V" at 50.8,8.001 h1
  text "TO  / ADM" at 20.193,1.397 h1
Mechanical Drawing:
  lines w0.762: -5.08,1.92 ccw(c1.92,1.92) 1.92,-5.08 ; -5.08,1.92 -5.029,1.076 -4.877,0.245 -4.625,-0.562 -4.278,-1.333 -3.841,-2.056 -3.32,-2.722 -2.722,-3.32 -2.056,-3.841 -1.333,-4.278 -0.562,-4.625 0.245,-4.877 1.076,-5.029 1.92,-5.08 ; -5.08,1.92 -5.08,81.788 24.17,81.788 24.17,85.09 83.805,85.09 cw(c83.805,78.09) 90.805,78.09 90.805,-1.778 61.555,-1.778 61.555,-5.08 1.92,-5.08 ; 35.612,60.09 50.113,60.09 ; 35.612,60.09 35.612,75.09 ; 35.612,60.09 35.612,75.09 ; 35.612,60.09 50.113,60.09 ; 35.612,75.09 50.113,75.09 ; 35.612,75.09 50.113,75.09 ; 50.113,60.09 50.113,75.09 ; 50.113,60.09 50.113,75.09
  text "Mechanical Drawing of PT-MIS-PCB-001_v1" at 12.319,91.059 h1.52
  text "Units: mm" at -23.876,-13.716 h1.52
  text "Scale: 1:1" at -23.876,-16.256 h1.52
Board Outline:
  lines w0.762: 24.17,85.09 24.17,81.915 -5.08,81.915 -5.08,1.92 ccw(c1.919,1.921) 1.92,-5.078 61.555,-5.078 ; 24.17,85.215 83.688,85.215 cw(c83.684,78.094) 90.805,78.09 90.805,-1.778 61.555,-1.778 61.555,-5.08 ; 35.612,60.09 50.113,60.09 ; 35.612,60.09 35.612,75.09 ; 35.612,60.09 35.612,75.09 ; 35.612,60.09 50.113,60.09 ; 35.612,75.09 50.113,75.09 ; 35.612,75.09 50.113,75.09 ; 50.113,60.09 50.113,75.09 ; 50.113,60.09 50.113,75.09
ASM Top:
  text "Assembly TOP of PT-MIS-PCB-001_v1" at 17.018,87.503 h1.52
ASM Bottom:
  text "Assembly BOTTOM of PT-MIS-PCB-001_v1" at 67.691,87.503 h1.52

## Dimensions
24.17,85.09 to 1.92,-5.08 on Mechanical Drawing
61.555,-1.778 to 61.555,-5.08 on Mechanical Drawing
61.555,-5.08 to 90.805,-1.778 on Mechanical Drawing
-5.08,1.92 to 90.805,-1.778 on Mechanical Drawing
1.92,1.92 to -10.033,-7.493 on Mechanical Drawing
24.17,85.09 to 24.17,81.788 on Mechanical Drawing
-5.08,81.788 to 24.17,81.788 on Mechanical Drawing
50.113,60.09 to 90.805,78.09 on Mechanical Drawing
50.113,60.09 to 35.612,60.09 on Mechanical Drawing
24.17,85.09 to 50.113,75.09 on Mechanical Drawing
50.113,75.09 to 50.113,60.09 on Mechanical Drawing